# Altium PCB Tigershark 3D R2.PcbDoc (part 4 of 4)
Units mil, origin at the board's own origin, x right, y up, seen from the top; angles counter-clockwise.
Board outline 4100 x 4050 mil, 4 copper layers (Top Layer, Groun Plane, Power Plane, Bottom Layer), stack 61.73 mil thick; 363 components, 231 nets, 1162 pads, 834 vias.
Unrouted connection lines stored in the file: 9.
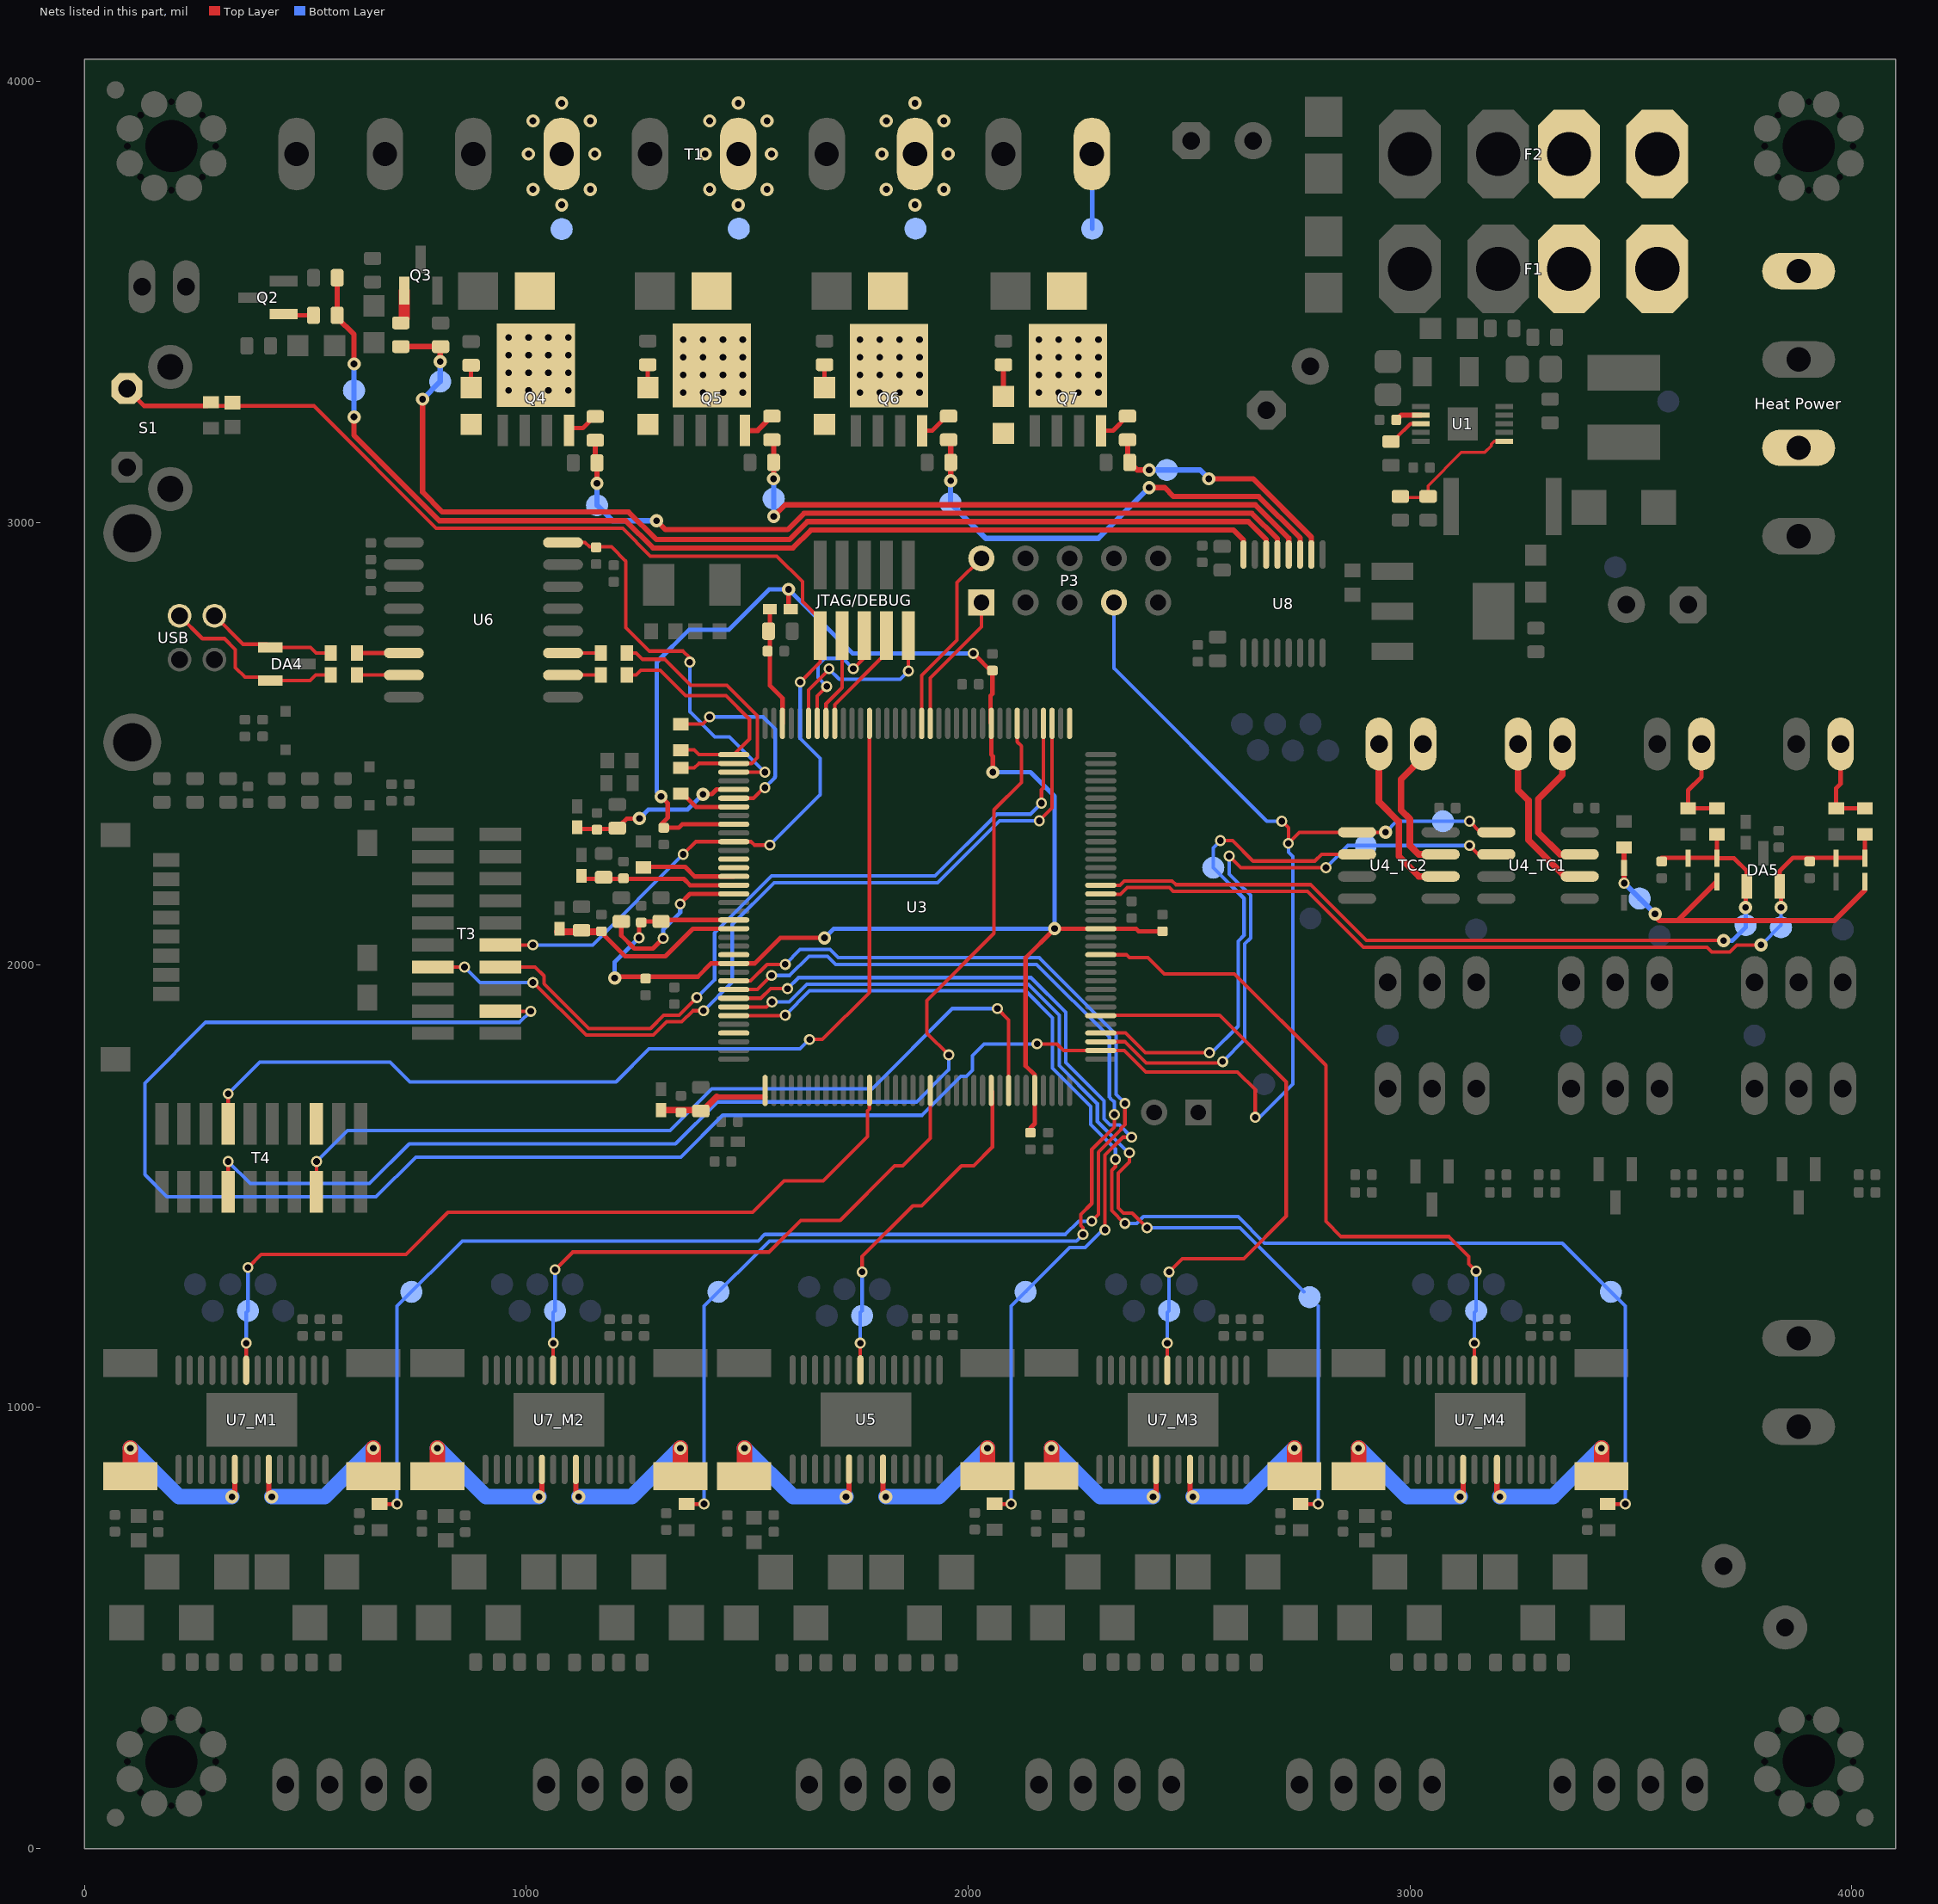
[diagram p6: the nets of this part, all layers, seen from the top]

## Via types
v1: diameter 30, hole 15, Top Layer to Bottom Layer, tented both sides, 496 vias
v2: diameter 25, hole 15, Top Layer to Bottom Layer, tented both sides, 175 vias
v3: diameter 25, hole 15, Top Layer to Bottom Layer, 76 vias
v4: diameter 19.68, hole 7.87, Top Layer to Bottom Layer, 75 vias
v5: diameter 30, hole 15, Top Layer to Bottom Layer, 9 vias
v6: diameter 45, hole 20, Top Layer to Bottom Layer, tented both sides, 3 vias

## Nets (pads, with @x,y where several pads share a name; then routed paths per layer and width w, separated by ;. In a path a pad name is that pad's centre, name@x,y a point inside that pad or via, vN(x,y) a via of type N, cw(c..) or ccw(c..) an arc to the next point about the centre after c; other vN are vias at no path point) (continued)
NetD12_1: D12.1 D13.C Q4.5 T1.4 TP11.1
  other v1: 960,3300 1005,3300 1050,3300 1095,3300 960,3340 1005,3340 1050,3340 1095,3340 960,3380 1005,3380 1050,3380 1095,3380 960,3420 1005,3420 1050,3420 1095,3420 1080,3720 1015,3755 1145,3755 1005,3835 1155,3835 1015,3910 1145,3910 1080,3950
NetD13_A: D13.A R56.1 | length 50.5
  Top Layer w10: D13.A@875,3306.34 R56.1@875,3356.87
NetD14_A: D14.A R60.1 | length 51.9
  Top Layer w10: D14.A@1275,3306.34 R60.1@1275,3358.23
NetD14_C: D14.C D15.1 Q5.5 T1.6 TP12.1
  other v1: 1355,3295 1400,3295 1445,3295 1490,3295 1355,3335 1400,3335 1445,3335 1490,3335 1355,3375 1400,3375 1445,3375 1490,3375 1355,3415 1400,3415 1445,3415 1490,3415 1480,3720 1415,3755 1545,3755 1405,3835 1555,3835 1415,3910 1545,3910 1480,3950
NetD16_A: D16.A R64.1 | length 51.9
  Top Layer w10: D16.A@1675,3306.34 R64.1@1675,3358.23
NetD16_C: D16.C D17.1 Q6.5 T1.8 TP13.1
  other v1: 1755,3295 1800,3295 1845,3295 1890,3295 1755,3335 1800,3335 1845,3335 1890,3335 1755,3375 1800,3375 1845,3375 1890,3375 1755,3415 1800,3415 1845,3415 1890,3415 1880,3720 1815,3755 1945,3755 1805,3835 1955,3835 1815,3910 1945,3910 1880,3950
NetD18_A: D18.A R68.1 | length 52
  Top Layer w12: D18.A@2080,3289.72 2080,3341.69
NetD18_C: D18.C D19.1 Q7.5 T1.10 TP14.1 | length 141.3
  Bottom Layer w10: TP14.1@2281,3666 T1.10@2281,3807.32
  other v1: 2160,3295 2205,3295 2250,3295 2295,3295 2160,3335 2205,3335 2250,3335 2295,3335 2160,3375 2205,3375 2250,3375 2295,3375 2160,3415 2205,3415 2250,3415 2295,3415
NetF1_1: "Heat Power.3" F1.1
NetF2_1: "Heat Power.1" F2.1
NetP2_TR1_1: P2_TR1.1 R14_TR1.2 R19_TR1.1 | length 214.6
  Top Layer w10: P2_TR1.1@3975,2500 3975,2410 3965,2400 R19_TR1.1@3965,2354.53 R14_TR1.2@4030,2354.53
NetP2_TR2_1: P2_TR2.1 R14_TR2.2 R19_TR2.1 | length 222.9
  Top Layer w10: P2_TR2.1@3660,2500 3660,2425 3630,2395 R19_TR2.1@3630,2354.53 R14_TR2.2@3695,2354.53
NetQ2_1: Q2.1 R45.2 | length 68.9
  Top Layer w10: Q2.1@450.43,3472.6 453.03,3470 R45.2@518.23,3470
NetQ3_1: Q3.1 R52.2 | length 73.2
  Top Layer w25: R52.2@716,3455.53 723.6,3463.13 Q3.1@723.6,3525.57
NetQ4_4: Q4.4 R58.2 | length 73.2
  Top Layer w10: Q4.4@1096.5,3209.66 1101.36,3214.53 1127.75,3214.53 R58.2@1156,3242.77
NetQ5_4: Q5.4 R62.2 | length 74.5
  Top Layer w12: Q5.4@1495,3209.28 1523.5,3209.28 R62.2@1556,3241.77
NetQ6_4: Q6.4 R66.2 | length 72.4
  Top Layer w10: Q6.4@1896,3208.85 1918.85,3208.85 R66.2@1953.89,3243.89
NetQ7_4: Q7.4 R70.2 | length 73.6
  Top Layer w10: Q7.4@2301,3208.85 2328.08,3208.85 R70.2@2361,3241.77
NetR4_1: R4.1 U3.51 | length 223.6
  Top Layer w10: R4.1@1255,2221.57 1359.53,2221.57 1381.1,2200 U3.51@1469.65,2200
NetR5_2: R5.2 U3.42 | length 454.8
  Top Layer w8: R5.2@1350,2545.16 1399.06,2545.16 v2(1415,2561.1) ; U3.42@1469.65,2377.17 1514.29,2377.17 v2@1540,2402.87
  Bottom Layer w8: v2(1415,2561.1) 1536.1,2561.1 1563.5,2533.7 1563.5,2426.37 1562.5,2425.37 1562.5,2423.6 v2(1540,2401.1)
NetR6_1: R6.1 U3.53 | length 367.9
  Top Layer w10: R6.1@1215,2093.23 1215,2066.46 1244.85,2036.6 1286.6,2036.6 v2(1310,2060) ; v2@1348.32,2138.67 1370.28,2160.63 U3.53@1469.65,2160.63
  Bottom Layer w10: v2(1310,2060) 1310,2080 1348.32,2118.32 v2(1348.32,2137.77)
NetR7_1: R7.1 U1.3 | length 76.4
  Top Layer w8: R7.1@2961.84,3192.14 2969.14,3192.14 3001.43,3224.43 U1.3@3024.83,3224.43
NetR10_2: R10.2 R12.1 U1.6 | length 291.8
  Top Layer w7: R12.1@2977.36,3057.6 R10.2@3033.45,3057.6 ; R10.2@3041,3065.15 3041,3084 3116.56,3159.56 3169.25,3159.56 3184.18,3174.49 3184.18,3178.18 3191.06,3185.06 U1.6@3213.8,3185.06
NetR17_1: R17.1 U1.2 | length 56.9
  Top Layer w12: R17.1@2971.68,3235.05 2980.73,3244.11 U1.2@3024.83,3244.11
NetR22_2: R22.2 U3.43 | length 129.5
  Top Layer w10: R22.2@1353.05,2388.52 1384.09,2357.48 U3.43@1469.65,2357.48
NetR32_M1_2: R32_M1.2 U7_M1.9 | length 404.1
  Top Layer w12: U7_M1.9@417.13,859.06 417.13,802.87 v1(423.74,796.26)
  Top Layer w35: R32_M1.2@653.74,843.31 v1(653.74,906.26)
  Bottom Layer w35: v1(423.74,796.26) 543.74,796.26 v1(653.74,906.26)
NetR32_M2_2: R32_M2.2 U7_M2.9 | length 404.1
  Top Layer w12: U7_M2.9@1112.13,859.06 1112.13,802.87 v1(1118.74,796.26)
  Top Layer w35: R32_M2.2@1348.74,843.31 v1(1348.74,906.26)
  Bottom Layer w35: v1(1118.74,796.26) 1238.74,796.26 v1(1348.74,906.26)
NetR32_M3_2: R32_M3.2 U7_M3.9 | length 404.1
  Top Layer w12: U7_M3.9@2502.13,859.06 2502.13,802.87 v1(2508.74,796.26)
  Top Layer w35: R32_M3.2@2738.74,843.31 v1(2738.74,906.26)
  Bottom Layer w35: v1(2508.74,796.26) 2628.74,796.26 v1(2738.74,906.26)
NetR32_M4_2: R32_M4.2 U7_M4.9 | length 404.1
  Top Layer w12: U7_M4.9@3197.13,859.06 3197.13,802.87 v1(3203.74,796.26)
  Top Layer w35: R32_M4.2@3433.74,843.31 v1(3433.74,906.26)
  Bottom Layer w35: v1(3203.74,796.26) 3323.74,796.26 v1(3433.74,906.26)
NetR33_M1_2: R33_M1.2 U7_M1.6 | length 404.1
  Top Layer w12: v1(333.74,796.26) 340.35,802.87 U7_M1.6@340.35,859.06
  Top Layer w35: R33_M1.2@103.74,843.31 v1(103.74,906.26)
  Bottom Layer w35: v1(103.74,906.26) 213.74,796.26 v1(333.74,796.26)
NetR33_M2_2: R33_M2.2 U7_M2.6 | length 404.1
  Top Layer w12: v1(1028.74,796.26) 1035.35,802.87 U7_M2.6@1035.35,859.06
  Top Layer w35: R33_M2.2@798.74,843.31 v1(798.74,906.26)
  Bottom Layer w35: v1(798.74,906.26) 908.74,796.26 v1(1028.74,796.26)
NetR33_M3_2: R33_M3.2 U7_M3.6 | length 404.1
  Top Layer w12: v1(2418.74,796.26) 2425.35,802.87 U7_M3.6@2425.35,859.06
  Top Layer w35: R33_M3.2@2188.74,843.31 v1(2188.74,906.26)
  Bottom Layer w35: v1(2188.74,906.26) 2298.74,796.26 v1(2418.74,796.26)
NetR33_M4_2: R33_M4.2 U7_M4.6 | length 404.1
  Top Layer w12: v1(3113.74,796.26) 3120.35,802.87 U7_M4.6@3120.35,859.06
  Top Layer w35: R33_M4.2@2883.74,843.31 v1(2883.74,906.26)
  Bottom Layer w35: v1(2883.74,906.26) 2993.74,796.26 v1(3113.74,796.26)
NetR38_2: R38.2 U5.9 | length 404.1
  Top Layer w12: U5.9@1807.16,859.02 1807.16,802.84 v1(1813.77,796.23)
  Top Layer w35: R38.2@2043.77,843.28 v1(2043.77,906.23)
  Bottom Layer w35: v1(1813.77,796.23) 1933.77,796.23 v1(2043.77,906.23)
NetR39_2: R39.2 U5.6 | length 404.1
  Top Layer w12: v1(1723.77,796.23) 1730.39,802.84 U5.6@1730.39,859.02
  Top Layer w35: R39.2@1493.77,843.28 v1(1493.77,906.23)
  Bottom Layer w35: v1(1493.77,906.23) 1603.77,796.23 v1(1723.77,796.23)
NetR45_1: R45.1 R46.1 TP41.1 U8.16 | length 2547.7
  Top Layer w12: R45.1@571.77,3465 610,3426.77 v1(610,3360) ; R45.1@571.77,3470 R46.1@571.77,3555 ; v1@605,3240 610,3235 610,3198.13 803.13,3005 1225,3005 1286.51,2943.49 1603.49,2943.49 1644,2984 2601,2984 2623.43,2961.57 U8.16@2623.43,2928.66
  Bottom Layer w12: v1(610,3240) TP41.1@610,3300 v1(610,3360)
NetR52_1: R52.1 R55.1 TP42.1 U8.14 | length 2458
  Top Layer w12: R52.1@716,3399.23 R55.1@806,3399.23 805,3398.23 v1(805,3365) ; v1(765,3280) 765,3070 810,3025 1231.87,3025 1294.38,2962.49 1595.62,2962.49 1636.13,3003 2634.52,3003 2674.61,2962.91 U8.14@2674.61,2928.66
  Bottom Layer w12: v1(765,3280) TP42.1@805,3320 v1(805,3365)
NetR58_1: R58.1 R59.1 TP48.1 U8.13 | length 1781.3
  Top Layer w12: R59.1@1156,3139.77 R58.1@1156,3187.23 ; R59.1@1159.77,3136 1160,3135.77 v1(1160,3090) ; v1(1295,3005) 1315,2985 1591.26,2985 1628.26,3022 2642.39,3022 2700.2,2964.19 U8.13@2700.2,2928.66
  Bottom Layer w12: v1(1160,3090) TP48.1@1160,3040 1195,3005 v1(1295,3005)
NetR62_1: R62.1 R63.1 TP49.1 U8.12 | length 1414.2
  Top Layer w12: v1(1559.77,3100) R63.1@1559.77,3137 R62.1@1559.77,3184.46 ; v1(1560,3015) 1586,3041 2650.26,3041 2725.8,2965.46 U8.12@2725.8,2928.66
  Bottom Layer w12: v1(1559.77,3100) 1559.77,3045.23 1560,3045 v1(1560,3015)
NetR66_1: R66.1 R67.1 TP50.1 U8.11 | length 1088.9
  Top Layer w12: v1(1960.77,3095.77) R67.1@1960.77,3137 R66.1@1960.77,3183.46 ; v1@2420,3080 2445,3080 2465,3060 2658.13,3060 2751.39,2966.74 U8.11@2751.39,2928.66
  Bottom Layer w12: v1(1960.77,3095.77) 1960,3095 TP50.1@1960,3045 2040,2965 2295,2965 2405,3075 v1@2415,3075
  other v1: 2410,3080
NetR70_1: R70.1 R71.1 TP51.1 U8.10 | length 573.8
  Top Layer w12: R70.1@2361,3188.23 2361,3141.77 R71.1@2365.77,3137 2382.77,3120 v1(2410,3120) ; v1(2545,3100) 2645,3100 2776.98,2968.02 U8.10@2776.98,2928.66
  Bottom Layer w12: v1(2410,3120) 2525,3120 v1(2545,3100)
NetT2_TC1_1: T2_TC1.1 U4_TC1.3 | length 337.6
  Top Layer w15: T2_TC1.1@3345,2500 3345,2429.49 3290.51,2375 3290.51,2299.49 3340,2250 U4_TC1.3@3384.49,2250
NetT2_TC1_2: T2_TC1.2 U4_TC1.2 | length 377.3
  Top Layer w15: T2_TC1.2@3245,2500 3245,2395.51 3268.51,2372 3268.51,2282.65 3351.16,2200 U4_TC1.2@3384.49,2200
NetT2_TC2_1: T2_TC2.1 U4_TC2.3 | length 336.8
  Top Layer w15: T2_TC2.1@3030,2500 3030,2470 2980,2420 2980,2350 3000,2330 3000,2270 3020,2250 U4_TC2.3@3069.49,2250
NetT2_TC2_2: T2_TC2.2 U4_TC2.2 | length 386.5
  Top Layer w15: T2_TC2.2@2930,2500 2930,2368.89 2975,2323.89 2975,2245.51 3020.51,2200 U4_TC2.2@3069.49,2200
NRST: U3.69
OVREF: D1.2 D3_TR1.2 D3_TR2.2 R1.1 TP2.1 | length 828.2
  Top Layer w12: v2(3485,2185) D1.2@3485,2219.37 R1.1@3485,2260 ; v1(3555,2115) 3555,2110 3565,2100 3960,2100 4030,2170 D3_TR1.2@4030,2188.43 ; 3608.29,2101.71 D3_TR2.2@3695,2188.43
  Bottom Layer w12: v2(3485,2185) TP2.1@3520,2150 v1(3555,2115)
R_N: DA4.1 R18.2 USB.2 | length 298.5
  Top Layer w8: USB.2@294,2790 358.31,2725.69 413.1,2725.69 DA4.1@420.6,2718.19 511.51,2718.19 523.91,2705.79 R18.2@557.59,2705.79
R_P: DA4.2 R20.2 USB.3 | length 432.3
  Top Layer w8: USB.3@215,2790 266.71,2738.29 316.51,2738.29 341.5,2713.29 341.5,2672.51 363.12,2650.89 413.1,2650.89 DA4.2@420.6,2643.39 510.6,2643.39 523,2655.79 R20.2@557.59,2655.79
REF1: R31_M1.2 TP33_M1.1 U3.63 | length 3580
  Top Layer w8: R31_M1.2@667.48,779.53 707.01,779.53 v3(707.48,780) ; U3.63@1469.65,1963.78 1507.68,1963.78 1545,2001.1 v2@1590,2001.1 ; v2(2280,1420) 2295,1435 2295,1544.05 2295,1575.95 2346.1,1627.05 2346.1,1629.89 2355,1638.79 v2(2355,1686.1)
  Bottom Layer w8: v3(707.48,780) 707.48,1227.52 855,1375 1525,1375 1540,1390 2220,1390 2250,1420 v2(2280,1420) ; v2(1586.1,2001.1) 1619.6,2034.6 1687.6,2034.6 1706.1,2016.1 2161.1,2016.1 2335,1842.2 2335,1707.06 2335.96,1706.1 2336.21,1706.1 2355,1687.32 v2(2355,1686.1)
REF2: R31_M2.2 TP33_M2.1 U3.64 | length 2855.1
  Top Layer w8: R31_M2.2@1362.48,779.53 1402.01,779.53 v3(1402.48,780) ; U3.64@1469.65,1944.09 1522.99,1944.09 v2(1555,1976.1) ; v2(2260,1390) 2260,1405 2255,1410 2255,1435 2280,1460 2280,1537.84 2280,1582.16 2331.1,1633.26 v2(2331.1,1661.1)
  Bottom Layer w8: v3(1402.48,780) 1402.48,1227.52 1550,1375 2245,1375 v2(2260,1390) ; v2(1555,1976.1) 1596.1,1976.1 1639.6,2019.6 1681.39,2019.6 1699.89,2001.1 2154.89,2001.1 2320,1835.99 2320,1700.84 2322.6,1698.24 2322.6,1697.29 2328.79,1691.1 2330,1691.1 2331.1,1690 v2(2331.1,1661.1)
REF3: R31_M3.2 TP33_M3.1 U3.66 | length 2286.7
  Top Layer w8: U3.66@1469.65,1904.72 1543.62,1904.72 v2@1555,1916.1 ; v2(2365,1575) 2365,1553.79 2340,1528.79 2340,1450 2351.5,1438.5 2371.5,1438.5 v3(2405,1405) ; R31_M3.2@2752.48,779.53 2792.01,779.53 v3(2792.48,780)
  Bottom Layer w8: v2(1556.1,1916.1) 1594.89,1916.1 1634.89,1956.1 2136.25,1956.1 2206.1,1886.25 2206.1,1772.32 2292.6,1685.82 2292.6,1645.16 v2@2365,1572.76 ; v3(2405,1405) 2615,1405 TP33_M3.1@2760.03,1259.97 ; v3(2792.48,780) 2792.48,1227.52
REF4: R31_M4.2 TP33_M4.1 U3.67 | length 3023.4
  Top Layer w8: U3.67@1469.65,1885.04 v2@1588.94,1885.04 ; v2(2333.5,1560) 2333.5,1543.5 2325,1535 2325,1443.79 2353.79,1415 v2(2355,1415) ; R31_M4.2@3447.48,779.53 3487.01,779.53 v3(3487.48,780)
  Bottom Layer w8: v2(1586.1,1886.1) 1641.1,1941.1 2130.04,1941.1 2191.1,1880.04 2191.1,1766.1 2277.6,1679.6 2277.6,1638.94 2333.5,1583.04 v2(2333.5,1560) ; v2(2355,1415) 2381.77,1415 2396.77,1430 2611.21,1430 2671.21,1370 3345,1370 TP33_M4.1@3455,1260 ; TP33_M4.1@3455,1260 3487.48,1227.52 v3(3487.48,780)
REF_EXP1: T4.15 U3.101 | length 1949
  Top Layer w8: T4.15@525,1486.46 v2(525,1555) ; v2(2066.1,1901.1) 2091.69,1875.51 U3.101@2091.69,1715.75
  Bottom Layer w8: v2(525,1555) 595,1625 1325.15,1625 1419.86,1719.71 1782.95,1719.71 1964.34,1901.1 v2(2066.1,1901.1)
REF_EXP2: T4.16 U3.60
REF_Z: R37.2 TP15.1 U3.65 | length 2176.8
  Top Layer w8: U3.65@1469.65,1924.41 1531.18,1924.41 1552.87,1946.1 v2@1590,1946.1 ; R37.2@2057.51,779.5 2097.04,779.5 v3(2097.51,779.97) ; v2(2310,1400) 2310,1569.73 2350.27,1610 v2(2370,1610)
  Bottom Layer w8: v2(1591.1,1946.1) 1616.1,1971.1 2142.46,1971.1 2221.1,1892.46 2221.1,1778.53 2307.6,1692.03 2307.6,1651.37 2321.37,1637.6 2342.4,1637.6 v2(2370,1610) ; v3(2097.51,779.97) 2097.51,1227.49 TP15.1@2130,1260 2230,1360 2265,1360 2305,1400 v2(2310,1400)
RESET: C63.2 JTAG/DEBUG.10 R21.1 S1.1 T3.9 U3.47 | length 3111.3
  Top Layer w8: R21.1@277.47,3265 R21.1@286,3273.53 ; R21.1@294.53,3265 519.09,3265 796.09,2988 1217.96,2988 1280.96,2925 1567,2925 1625,2867 1625,2822.11 1665,2782.11 JTAG/DEBUG.10@1665,2745.08 1665,2685 v2(1620,2640) ; T3.9@941.77,2045 v2(1015,2045) ; v2(1355,2250) 1383.74,2278.74 U3.47@1469.65,2278.74 1508.46,2278.74 1516.1,2271.1 v2(1551.1,2271.1)
  Top Layer w10: S1.1@96,3304 135,3265 R21.1@277.47,3265
  Bottom Layer w8: v2(1015,2045) 1150,2045 v2(1355,2250) ; v2(1551.1,2271.1) 1665,2385 1665,2467.2 1620,2512.2 v2(1620,2640)
RXD0: T3.8 U3.3 | length 1946.1
  Top Layer w8: T3.8@788.23,1995 v2(860,1995) ; v2(1015,1960) 1016.21,1960 1135.23,1840.98 1287.34,1840.98 1317.36,1871 1351.89,1871 1376.99,1896.1 v2(1401.1,1896.1) ; v2(2161.1,2326.1) 2190.12,2355.12 U3.3@2190.12,2546.46
  Bottom Layer w8: v2(860,1995) 895,1960 v2(1015,1960) ; v2(1401.1,1896.1) 1466.1,1961.1 1466.1,2091.1 1561.1,2186.1 1931.1,2186.1 2071.1,2326.1 v2(2161.1,2326.1)
RXD1: P3.2 U3.18 | length 429.5
  Top Layer w8: U3.18@1894.84,2546.46 1894.84,2654.84 1975,2735 1975,2865 P3.2@2030,2920
SCLK: P3.7 T3.3 TP6.1 U3.110 U4_TC1.5 U4_TC2.5 | length 5913.7
  Top Layer w8: T3.3@941.77,1895 v2(1010,1895) ; v2(2156.1,1821.1) 2201.1,1821.1 2215.91,1806.3 U3.110@2300.35,1806.3 2353.48,1806.3 2402.18,1757.6 2609.6,1757.6 2650,1717.2 v2(2650,1655) ; v2(2710,2325) 2725,2310 v2(2725,2275) 2750,2300 U4_TC2.5@2880.51,2300 v1(2945,2300) ; v2(3135,2325) 3160,2300 U4_TC1.5@3195.51,2300
  Bottom Layer w8: v2(1010,1895) 985,1870 274.34,1870 136.5,1732.16 136.5,1525.27 186.77,1475 360.23,1475 659.77,1475 749.77,1565 1350,1565 1444.71,1659.71 1895.93,1659.71 1983.82,1747.6 1995.84,1747.6 2009.6,1761.37 2009.6,1794.6 2036.1,1821.1 v2(2156.1,1821.1) ; P3.7@2330,2820 2330,2671.21 2676.21,2325 v2(2710,2325) ; v2(2650,1655) 2660,1655 2735,1730 2735,2245 2725,2255 v2(2725,2275) ; v1(2945,2300) 2970,2325 v2(3135,2325)
SHDN: U3.50
SPD: U3.1
STEP1: TP40_M1.1 U3.85 U7_M1.22 | length 1856.6
  Top Layer w8: U7_M1.22@365.94,1083.46 v3(365.94,1143.9) ; v3(370,1315) 400,1345 727.57,1345 822.57,1440 1512.26,1440 1583.76,1511.5 1672.01,1511.5 1772.05,1611.53 1772.05,1669.47 1776.73,1674.16 U3.85@1776.73,1715.75
  Bottom Layer w8: v3@365.74,1144.1 v3(365.94,1143.9) 365.94,1213.01 TP40_M1.1@369.97,1217.03 v3@369.97,1307.03
STEP2: TP40_M2.1 U3.92 U7_M2.22 | length 1306.4
  Top Layer w8: U7_M2.22@1060.94,1083.46 v3(1060.94,1143.9) ; v3(1065,1310) 1105,1350 1549.54,1350 1621.04,1421.5 1710.43,1421.5 1833.93,1545 1851.87,1545 1914.53,1607.65 U3.92@1914.53,1715.75
  Bottom Layer w8: v3@1060.74,1144.1 v3(1060.94,1143.9) 1060.94,1213.01 TP40_M2.1@1064.97,1217.03 v3@1064.97,1307.03
STEP3: TP40_M3.1 U3.114 U7_M3.22 | length 1329.4
  Top Layer w8: U3.114@2300.35,1885.04 2301.42,1886.1 2569.19,1886.1 2720,1735.29 2720,1431.21 2623.79,1335 2485,1335 v3(2455,1305) ; U7_M3.22@2450.94,1083.46 v3(2450.94,1143.9)
  Bottom Layer w8: v3@2450.74,1144.1 v3(2450.94,1143.9) 2450.94,1213.01 TP40_M3.1@2454.97,1217.03 v3@2454.97,1307.03
STEP4: TP40_M4.1 U3.121 U7_M4.22 | length 1588.1
  Top Layer w8: U3.121@2300.35,2022.83 2358.16,2022.83 2364.89,2016.1 2407.32,2016.1 2443.69,1979.72 2602.85,1979.72 2810,1772.57 2810,1419.34 2844.34,1385 3088.23,1385 3133.47,1339.77 3133.47,1323.53 v3(3149.97,1307.03) ; U7_M4.22@3145.94,1083.46 v3(3145.94,1143.9)
  Bottom Layer w8: v3@3145.74,1144.1 v3(3145.94,1143.9) 3145.94,1213.01 TP40_M4.1@3149.97,1217.03 v3(3149.97,1307.03)
STEP_EXP1: T4.7 U3.7 | length 2724
  Top Layer w8: T4.7@325,1486.46 v2(325,1555) ; v2(1956.1,1796.1) 1906.71,1845.5 1906.71,1919.28 2058.86,2071.43 2058.86,2350.83 2121,2412.97 2121,2494.99 2111.38,2504.61 U3.7@2111.38,2546.46
  Bottom Layer w8: v2(325,1555) 375,1505 645,1505 735,1595 1337.57,1595 1432.29,1689.71 1882.95,1689.71 1956.1,1762.87 v2(1956.1,1796.1)
STEP_EXP2: T4.8 U3.24 | length 2260.9
  Top Layer w8: T4.8@325,1640 v2(325,1708.23) ; v2(1641.1,1831.1) 1669.89,1831.1 1776.73,1937.95 U3.24@1776.73,2546.46
  Bottom Layer w8: v2(325,1708.23) 396.77,1780 691.36,1780 736.36,1735 1203.23,1735 1277.94,1809.71 1619.71,1809.71 v2(1641.1,1831.1)
STEP_Z: TP21.1 U3.99 U5.22 | length 785.1
  Top Layer w8: U5.22@1755.98,1083.43 v3(1755.98,1143.87) ; v3(1760,1305) 1760,1340 1875,1455 1895,1455 1985,1545 2012.43,1545 2055,1587.57 2055,1713.07 U3.99@2052.32,1715.75
  Bottom Layer w8: v3(1755.98,1143.87) 1755.98,1212.98 1760,1217 v3(1760,1305)
TC_CS1: TP4.1 U3.111 U4_TC1.6 | length 1453.6
  Top Layer w8: U3.111@2300.35,1825.98 2355.01,1825.98 2403.39,1777.6 2572.6,1777.6 v2(2576.1,1781.1) ; v2(2591.1,2246.1) 2617.2,2220 v2(2810,2220) ; v2(3135,2270) 3155,2250 U4_TC1.6@3195.51,2250
  Bottom Layer w8: v2(2576.1,1781.1) 2626.1,1831.1 2626.1,2047.2 2639.6,2060.7 2639.6,2157.71 2626.21,2171.1 2625,2171.1 2591.1,2205 v2(2591.1,2246.1) ; v2(2810,2220) 2860,2270 v2(3135,2270)
TC_CS2: TP5.1 U3.112 U4_TC2.6 | length 1149.9
  Top Layer w8: U3.112@2300.35,1845.67 2356.54,1845.67 2401.1,1801.1 v2(2546.1,1801.1) ; v2(2571.1,2281.1) 2598.9,2281.1 2645,2235 2785,2235 2800,2250 U4_TC2.6@2880.51,2250
  Bottom Layer w8: v2(2546.1,1801.1) 2551.1,1801.1 2611.1,1861.1 2611.1,2053.42 2624.6,2066.92 2624.6,2150.29 TP5.1@2555,2219.89 2555,2265 v2(2571.1,2281.1)
TCK/SWDCLK: JTAG/DEBUG.4 U3.28 | length 247.1
  Top Layer w8: U3.28@1697.99,2546.46 1697.99,2589.12 1815,2706.13 JTAG/DEBUG.4@1815,2745.08
TDI: JTAG/DEBUG.8 U3.29 | length 213.8
  Top Layer w8: U3.29@1678.31,2546.46 1678.31,2590.65 1715,2627.34 JTAG/DEBUG.8@1715,2745.08
TDO/SWO: JTAG/DEBUG.6 U3.30 | length 330.4
  Top Layer w8: U3.30@1658.62,2546.46 1658.62,2608.62 v2(1680,2630) ; v2(1740,2670) 1765,2695 JTAG/DEBUG.6@1765,2745.08
  Bottom Layer w8: v2(1680,2630) 1660,2650 1660,2678.23 1675.27,2693.5 1716.5,2693.5 v2(1740,2670)
THERM_AN1: C30_TR1.2 D3_TR1.1 D5_TR1.2 DA5.2 R14_TR1.1 TP52_TR1.1 U3.128 | length 2003.6
  Top Layer w8: U3.128@2300.35,2160.63 2301.35,2159.63 2344.63,2159.63 2360,2175 2455.55,2175 2464.05,2166.5 2768.5,2166.5 2895,2040 3672.37,2040 3683.37,2029 3724,2029 3740,2045 v1(3795,2045)
  Top Layer w10: v1(3840,2130) 3840,2175 DA5.2@3837.4,2177.6 3837.4,2212.4 3867.56,2242.56 D3_TR1.1@4029.02,2242.56 ; D3_TR1.1@4030,2241.57 R14_TR1.1@4030,2295.47
  Bottom Layer w8: v1(3795,2045) 3840,2090 v1@3840,2120
THERM_AN2: C30_TR2.2 D3_TR2.1 D5_TR2.2 DA5.1 R14_TR2.1 TP52_TR2.1 U3.129 | length 1908.1
  Top Layer w8: U3.129@2300.35,2180.32 2344.1,2180.32 2353.79,2190 2461.77,2190 2470.27,2181.5 2774.71,2181.5 2901.21,2055 v1(3710,2055)
  Top Layer w10: C30_TR2.2@3570,2242.56 D3_TR2.1@3694.02,2242.56 ; R14_TR2.1@3695,2295.47 D3_TR2.1@3695,2241.57 3733.43,2241.57 3762.6,2212.4 DA5.1@3762.6,2177.6 3760,2175 v1(3760,2130)
  Bottom Layer w10: v1(3710,2055) 3730,2055 3760,2085 v1@3760,2120
TMS/SWDIO: JTAG/DEBUG.2 U3.31 | length 394.6
  Top Layer w8: U3.31@1638.94,2546.46 1638.94,2622.17 v2@1685.88,2669.12 ; v2(1865,2665) JTAG/DEBUG.2@1865,2720.08
  Bottom Layer w8: v2(1685,2670) 1708.5,2646.5 1846.5,2646.5 v2(1865,2665)
TXD0: T3.7 U3.4 | length 1747.9
  Top Layer w8: T3.7@941.77,1995 1020,1995 1040,1975 1040,1957.43 1141.44,1855.98 1281.13,1855.98 1311.15,1886 1345.68,1886 1385.78,1926.1 v2(1386.1,1926.1) ; v2(2166.1,2366.1) 2166.1,2396.1 2170.43,2400.43 U3.4@2170.43,2546.46
  Bottom Layer w8: v2(1386.1,1926.1) 1426.1,1966.1 1426.1,2072.32 1554.89,2201.1 1924.89,2201.1 2064.89,2341.1 2141.1,2341.1 v2(2166.1,2366.1)
TXD1: P3.1 U3.17 | length 321.4
  Top Layer w8: U3.17@1914.53,2546.46 1914.53,2649.53 2030,2765 P3.1@2030,2820
UD_N: R18.1 U6.6 | length 106.2
  Top Layer w10: R18.1@616.65,2705.79 U6.6@722.88,2705.79
UD_P: R20.1 U6.7 | length 106.2
  Top Layer w8: R20.1@616.65,2655.79 U6.7@722.88,2655.79
UI_N: R16.2 U6.11 | length 85.4
  Top Layer w8: U6.11@1083.12,2705.79 1133,2705.79 R16.2@1168.47,2705.79
UI_P: R15.2 U6.10 | length 85.4
  Top Layer w8: U6.10@1083.12,2655.79 1148,2655.79 R15.2@1168.47,2655.79
UMCU_N: R16.1 R22.1 U3.38 | length 626.7
  Top Layer w8: R16.1@1227.53,2705.79 1248.81,2705.79 1263.09,2691.5 1313.5,2691.5 1372.4,2632.6 1453.96,2632.6 1523,2563.56 1523,2468.91 1510,2455.91 U3.38@1469.65,2455.91 1390.28,2455.91 1380,2445.63 R22.1@1355,2445.63
UMCU_P: R5.1 R15.1 U3.37 | length 542
  Top Layer w8: R15.1@1227.53,2655.79 1248.81,2655.79 1259.52,2666.5 1303.14,2666.5 1360.29,2609.35 1451.75,2609.35 1505,2556.1 1505,2510.94 U3.37@1469.65,2475.59 1390.98,2475.59 1380,2486.57 R5.1@1355,2486.57
VBUS: C57.2 U3.39 U6.16 | length 901.9
  Top Layer w8: U6.16@1083.12,2955.79 1133,2955.79 1143,2945.79 1192.68,2945.79 1225,2913.47 1225,2763.42 1278.42,2710 1355,2710 1370,2695 v2(1370,2685) ; U3.39@1469.65,2436.22 v2@1540,2436.22
  Bottom Layer w8: v2(1370,2685) 1370,2572.87 1426.77,2516.1 1460,2516.1 v2(1540,2436.1)
VDDANA: C13.2 C27.2 FB6.2 U3.73 | length 247.4
  Top Layer w12: 1431.1,1701.1 U3.73@1540,1701.1
  Top Layer w15: FB6.2@1305,1671.1 1401.1,1671.1 1431.1,1701.1
VDDBU: C28.2 C53.2 FB7.2 U3.52 | length 355.2
  Top Layer w10: FB7.2@1123.62,2202.48 1131.6,2194.5 1356.6,2194.5 1370.79,2180.32 U3.52@1469.65,2180.32
VDDIN: C54.2 C55.2 FB5.2 U3.57 | length 451.1
  Top Layer w8: C54.2@1167.77,2078.23 C54.2@1170,2076
  Top Layer w10: C54.2@1168.37,2075 1223.77,2019.6 1314.6,2019.6 1376.89,2081.89 U3.57@1469.65,2081.89
  Top Layer w15: FB5.2@1070.39,2075 C54.2@1168.37,2075
VDDOUT: C23.2 C36.2 C37.2 C38.2 C39.2 C41.2 C42.2 FB4.1 U3.10 U3.45 U3.56 U3.61 U3.104 U3.124 | length 4331.6
  Top Layer w10: v1(1200,1970) 1203.1,1973.1 1388.1,1973.1 1418.15,2003.15 U3.61@1469.65,2003.15 1517.05,2003.15 1575,2061.1 v1(1675,2061.1) ; v2(1255,2061.1) 1255,2086 1267.54,2098.54 1305,2098.54 1308.03,2101.57 U3.56@1469.65,2101.57 ; v1(1305,2381.1) 1320,2366.1 1320,2332.6 C41.2@1305.53,2318.13 ; C41.2@1311.1,2310.1 1345.1,2310.1 1353.11,2318.11 U3.45@1469.65,2318.11 ; FB4.1@1593.62,2811.1 v1(1593.62,2849.72) ; v2(2011.58,2705) 2055,2661.58 2055,2613.47 2050.54,2609.01 2050.54,2548.24 U3.10@2052.32,2546.46 2052.32,2475.98 2056.1,2472.2 v1(2056.1,2436.1) ; C23.2@2141.1,1620.1 2141.1,1631.1 2150.75,1640.75 U3.104@2150.75,1715.75 2150.75,1750.91 2130,1771.66 2130,2016.1 v1(2195.79,2081.89) U3.124@2300.35,2081.89 2380.22,2081.89 2386.01,2076.1 C39.2@2440,2076.1
  Bottom Layer w10: v1(1200,1970) 1200,2006.1 v2(1255,2061.1) ; v1(1305,2381.1) 1295,2391.1 1295,2685 1368.6,2758.6 1458.6,2758.6 1549.72,2849.72 v1(1593.62,2849.72) 1738.35,2705 v2(2011.58,2705) ; v1(1675,2061.1) 1695.79,2081.89 v1(2195.79,2081.89) 2195.79,2381.42 2141.1,2436.1 v1(2056.1,2436.1)
VDDPLL: C32.2 C33.2 FB4.2 U3.34 | length 278.5
  Top Layer w10: FB4.2@1546.38,2811.1 1551.38,2806.1 1551.38,2632.14 1579.88,2603.63 U3.34@1579.88,2546.46
VDDUTMI: C60.2 C61.2 FB8.2 U3.41 | length 380
  Top Layer w10: FB8.2@1115,2307.48 C60.2@1201.06,2307.48 ; C60.2@1212.56,2316.1 1227.56,2331.1 v1(1256.1,2331.1) ; v1(1400,2386.1) 1420,2386.1 1430.75,2396.85 U3.41@1469.65,2396.85
  Bottom Layer w10: v1@1260,2326.1 1260,2335 1276.1,2351.1 1365,2351.1 v1(1400,2386.1)
XOUT32: U3.49
pads on no net: FD1.1 FD2.1 FD3.1 H1.0 H2.0 H3.0 H4.0 JTAG/DEBUG.7 U3.19 U3.20 U3.21 U3.22 U3.32 U3.48 U3.127 U3.136 U3.137 U3.138 U3.139 U3.140 U4_TC1.8 U4_TC2.8 U5.18 U5.19 U5.23 U5.27 U7_M1.18 U7_M1.19 U7_M1.23 U7_M1.27 U7_M2.18 U7_M2.19 U7_M2.23 U7_M2.27 U7_M3.18 U7_M3.19 U7_M3.23 U7_M3.27 U7_M4.18 U7_M4.19 U7_M4.23 U7_M4.27

## Polygon pours and split planes (outlines as drawn)
GND on Top Layer "Mechanical 15-No Net" (solid, remove dead copper, pour order 71): 3362.48,825 3362.48,925 3502.48,925 3505,927.52 3505,1358.26 3376.74,1358.26 3374.97,1360.03 3369.97,1355.03 3369.97,1225.03 3369.97,1037.49 3367.48,1035 3367.45,1035.03 3244.97,1035.03 2992.51,1035.03 2992.48,1035 2989.97,1037.51 2989.97,1355.03 2809.97,1355.03 2812.48,1352.52 2812.48,925 2942.48,925 2967.48,900 3322.48,900 3322.48,825
GND on Top Layer "Mechanical 15-No Net" (solid, remove dead copper, pour order 71): 2667.48,825 2667.48,925 2807.48,925 2810,927.52 2810,1358.26 2681.74,1358.26 2679.97,1360.03 2674.97,1355.03 2674.97,1225.03 2674.97,1037.49 2672.48,1035 2672.45,1035.03 2549.97,1035.03 2297.51,1035.03 2297.48,1035 2294.97,1037.51 2294.97,1355.03 2114.97,1355.03 2117.48,1352.52 2117.48,925 2247.48,925 2272.48,900 2627.48,900 2627.48,825
GND on Top Layer "Mechanical 15-No Net" (solid, remove dead copper, pour order 71): 1972.74,825.74 1972.74,925.74 2112.74,925.74 2115.26,928.26 2115.26,1359 1987,1359 1985.23,1360.77 1980.23,1355.77 1980.23,1225.77 1980.23,1038.23 1977.74,1035.74 1977.71,1035.77 1855.23,1035.77 1602.77,1035.77 1602.74,1035.74 1600.23,1038.25 1600.23,1355.77 1420.23,1355.77 1422.74,1353.26 1422.74,925.74 1552.74,925.74 1577.74,900.74 1932.74,900.74 1932.74,825.74
GND on Top Layer "Mechanical 15-No Net" (solid, remove dead copper, pour order 98): 3785,395 3870,395 4080,395 4080,1045 3740,1045 3740,835 3785,835
+12VCC1 on Top Layer "Mechanical 15-No Net" (solid, remove dead copper, pour order 96): 4080,1355 3970,1355 3510,1355 3510,1320 3510,395 3775,395 3775,830 3730,830 3730,1055 3835,1055 4080,1055
GND on Top Layer "Mechanical 15-No Net" (solid, remove dead copper, pour order 71): 582.48,825 582.48,925 722.48,925 725,927.52 725,1358.26 596.74,1358.26 594.97,1360.03 589.97,1355.03 589.97,1225.03 589.97,1037.49 587.48,1035 587.45,1035.03 464.97,1035.03 212.51,1035.03 212.48,1035 209.97,1037.51 209.97,1355.03 29.97,1355.03 32.48,1352.52 32.48,925 162.48,925 187.48,900 542.48,900 542.48,825
GND on Top Layer "Mechanical 15-No Net" (solid, remove dead copper, pour order 71): 1277.48,825 1277.48,925 1417.48,925 1420,927.52 1420,1358.26 1291.74,1358.26 1289.97,1360.03 1284.97,1355.03 1284.97,1225.03 1284.97,1037.49 1282.48,1035 1282.45,1035.03 1159.97,1035.03 907.51,1035.03 907.48,1035 904.97,1037.51 904.97,1355.03 724.97,1355.03 727.48,1352.52 727.48,925 857.48,925 882.48,900 1237.48,900 1237.48,825
GND on Top Layer "Mechanical 15-No Net" (solid, remove dead copper, pour order 79): 545,3530 545,3580 600,3580 600,3625 332.07,3625 330,3625 330,3620 330,3575 370,3535 375,3530 490,3530
GND on Top Layer "Mechanical 15-No Net" (solid, remove dead copper, pour order 77): 790,3435 830,3435 830,3675 820,3675 820,3775 725,3775 725,3695 785,3635 785,3630 785,3435
+12VCC2 on Top Layer "Mechanical 15-No Net" (solid, remove dead copper, pour order 75): 825,4030 825,3685 840,3685 840,3480 855,3480 855,3395 915,3395 915,3480 945,3480 945,3760 945,4030
GND on Top Layer "Mechanical 15-No Net" (solid, remove dead copper, pour order 73): 2840,2860 2840,2655 2845,2650 2895,2650 2895,2755 2980,2755 3125,2755 3125,2730 3250,2730 3250,2875 3250,2880 3255,2875 3320,2875 3325,2880 3330,2880 3545,2880 3545,2660 4080,2660 4080,3080 3745,3080 3740,3075 3610,3075 3610,2975 3595,2960 3270,2960 3065,2960 3030,2925 3025,2920 3025,2860
GND on Top Layer "Mechanical 15-No Net" (solid, remove dead copper, pour order 69): 2740,3605 2875,3605 2875,3685 2880,3690 2860,3690 2860,3845 2855,3840 2760,3840 2760,3810 2760,3805 2625,3805 2625,3255 2390,3255 2390,3150 2680,3150 2720,3150 2720,3380 2720,3605
NetD12_1 on Top Layer "Mechanical 15-No Net" (solid, remove dead copper, pour order 65): 845,3280 845,3195 920,3195 920,3255 980,3255 1120,3255 1120,3265 1195,3265 1195,4030 950,4030 950,3475 925,3475 925,3395 925,3335 905,3335 905,3280
NetD14_C on Top Layer "Mechanical 15-No Net" (solid, remove dead copper, pour order 65): 1245,3280 1245,3195 1320,3195 1320,3255 1380,3255 1520,3255 1520,3265 1595,3265 1595,4030 1350,4030 1350,3475 1325,3475 1325,3395 1325,3335 1305,3335 1305,3280
NetD16_C on Top Layer "Mechanical 15-No Net" (solid, remove dead copper, pour order 65): 1645,3280 1645,3195 1720,3195 1720,3255 1780,3255 1920,3255 1920,3265 1995,3265 1995,4030 1750,4030 1750,3475 1725,3475 1725,3395 1725,3335 1705,3335 1705,3280
+12VCC2 on Top Layer "Mechanical 15-No Net" (solid, remove dead copper, pour order 26): 1200,4025 1200,3400 1320,3400 1320,3480 1345,3480 1345,4025
+12VCC2 on Top Layer "Mechanical 15-No Net" (solid, remove dead copper, pour order 26): 1600,4025 1600,3400 1720,3400 1720,3480 1745,3480 1745,4025
+5VCC on Top Layer "Mechanical 15-No Net" (solid, remove dead copper, pour order 58): 2840,3010 2840,2870 3015,2870 3015,2920 2935,2920 2935,3010
3.3VCC on Top Layer "Mechanical 15-No Net" (solid, remove dead copper, pour order 54): 2900,2750 2900,2655 3540,2655 3540,2875 3320,2875 3315,2870 3315,2735 3315,2725 3120,2725 3120,2750
+12VCC3 on Top Layer "Mechanical 15-No Net" (solid, remove dead copper, pour order 49): 3270,3700 3270,4025 2630,4025 2630,3915 2630,3810 2750,3810 2750,3855 2755,3850 2865,3850 2865,3735 2930,3735 2865,3735 2865,3700 2965,3700
+12VCC2 on Top Layer "Mechanical 15-No Net" (solid, remove dead copper, pour order 47): 3275,3470 3275,3685 3280,3690 2880,3690 2880,3595 2740,3595 2740,3470 2740,3400 2725,3385 2725,3325 2725,3155 2730,3150 2875,3150 2875,3425 3015,3425 3015,3475 3265,3475
NetF1_1 on Top Layer "Mechanical 15-No Net" (solid, remove dead copper, pour order 45): 3730,3085 4075,3085 4075,3310 4075,3435 4065,3435 4065,3300 4065,3435 3865,3435 3865,3300 3865,3435 3785,3435 3785,3300 3785,3435 3730,3435 3715,3435 3715,3690 3280,3690 3280,3455 3285,3450 3395,3450 3395,3400 3555,3400 3605,3400 3610,3395 3610,3085
NetF2_1 on Top Layer "Mechanical 15-No Net" (solid, remove dead copper, pour order 43): 4075,3450 3730,3450 3730,3695 3725,3700 3350,3700 3280,3700 3280,4025 4075,4025
NetD2_A on Top Layer "SMPS" (solid, pour order 24): 3259,3206 3259,3070 3259,3021 3308,2972 3421,2972 3445,2996 3445,3085 3433,3097 3416,3097 3335,3178 3308,3205 3262,3205
NetC40_2 on Top Layer "SMPS" (solid, pour order 25): 3256,3239 3278.77,3216.23 3323,3216.23 3429.23,3110 3445,3110 3461,3094 3461,3018 3499,2980 3585,2980 3603,2998 3603,3080 3603,3193 3557,3239 3546,3250 3274,3250 3259,3250 3256,3247
GND on Top Layer "SMPS" (solid, pour order 33): 3242,3173 3214,3145 3126,3145 3076,3095 3076,2972 3201,2972 3250,3021 3252,3023 3252,3156 3252,3173
GND on Top Layer "Mechanical 15-No Net" (solid, remove dead copper, pour order 37): 790,3165 790,3065 795,3060 1105,3060 1105,3125 1065,3125 1065,3250 925,3250 925,3165
GND on Top Layer "Mechanical 15-No Net" (solid, remove dead copper, pour order 36): 1188.5,3164.61 1188.5,3064.61 1193.5,3059.61 1503.5,3059.61 1503.5,3124.61 1463.5,3124.61 1463.5,3249.61 1323.5,3249.61 1323.5,3164.61
GND on Top Layer "Mechanical 15-No Net" (solid, remove dead copper, pour order 35): 1589.5,3164.19 1589.5,3064.19 1594.5,3059.19 1904.5,3059.19 1904.5,3124.19 1864.5,3124.19 1864.5,3249.19 1724.5,3249.19 1724.5,3164.19
GND on Top Layer "Mechanical 15-No Net" (solid, remove dead copper, pour order 34): 1994.5,3164.19 1994.5,3064.19 1999.5,3059.19 2309.5,3059.19 2309.5,3124.19 2269.5,3124.19 2269.5,3249.19 2129.5,3249.19 2129.5,3164.19
+12VCC3 on Top Layer "Mechanical 15-No Net" (solid, remove dead copper, pour order 26): 2000,4025 2000,3400 2120,3400 2120,3480 2145,3480 2145,4025
NetD18_C on Top Layer "Mechanical 15-No Net" (solid, remove dead copper, pour order 29): 2055,3175 2125,3175 2125,3255 2130,3260 2235,3260 2620,3260 2620,4025 2155,4025 2155,3475 2125,3475 2125,3395 2125,3285 2110,3285 2110,3255 2055,3255
+12VCC1 on Bottom Layer "Mechanical 15-No Net" (solid, remove dead copper, pour order 118): 3515,1365 3515,745 3490,745 20,745 20,350 190,350 900,350 4080,350 4080,1365
GND on Bottom Layer "Mechanical 15-No Net" (solid, remove dead copper, pour order 112): 2810,1360 2990,1360 2990,1130 3370,1130 3370,1365 3505,1365 3505,1340 3505,750 3445,750 2810,750 2810,1360
GND on Bottom Layer "Mechanical 15-No Net" (solid, remove dead copper, pour order 112): 2115,1360 2295,1360 2295,1130 2675,1130 2675,1365 2810,1365 2810,1340 2810,750 2750,750 2115,750 2115,1360
GND on Bottom Layer "Mechanical 15-No Net" (solid, remove dead copper, pour order 112): 1420.26,1360.74 1600.26,1360.74 1600.26,1130.74 1980.26,1130.74 1980.26,1365.74 2115.26,1365.74 2115.26,1340.74 2115.26,750.74 2055.26,750.74 1420.26,750.74 1420.26,1360.74
GND on Bottom Layer "Mechanical 15-No Net" (solid, remove dead copper, pour order 112): 725,1360 905,1360 905,1130 1285,1130 1285,1365 1420,1365 1420,1340 1420,750 1360,750 725,750 725,1360
GND on Bottom Layer "Mechanical 15-No Net" (solid, remove dead copper, pour order 112): 30,1360 210,1360 210,1130 590,1130 590,1365 725,1365 725,1340 725,750 665,750 30,750 30,1360
GND on Bottom Layer "Mechanical 15-No Net" (solid, remove dead copper, pour order 106): 4100,2660 4100,3075 3950,3075 3605,3075 3600,3080 3600,3385 3590,3395 3550,3395 3385,3395 3385,3445 3385,3455 3270,3455 3270,3475 3170,3475 2880,3475 2880,3030 2880,3025 2840,3025 2845,3020 2845,2660
+12VCC2 on Bottom Layer "Mechanical 15-No Net" (solid, remove dead copper, pour order 104): 355,4015 355,3685 20,3685 20,3395 770,3395 780,3385 780,3030 2870,3030 2870,3470 2870,3480 2970,3480 3270,3480 3275,3485 3275,3690 2405,3690 2405,3590 2005,3590 2005,3255 1970,3255 1715,3255 1715,3485 1745,3485 1745,4025 1740,4030 1600,4030 1600,3255 1315,3255 1315,3480 1345,3480 1345,4030 1200,4030 1200,3255 920,3255 920,3480 945,3480 945,4030 355,4030
NetD12_1 on Bottom Layer "Mechanical 15-No Net" (solid, remove dead copper, pour order 100): 925,3335 925,3475 950,3475 950,3525 950,4030 1025,4030 1195,4030 1195,3950 1190,3945 1195,3940 1195,3265 925,3265
NetD14_C on Bottom Layer "Mechanical 15-No Net" (solid, remove dead copper, pour order 100): 1325,3335 1325,3475 1350,3475 1350,3525 1350,4030 1425,4030 1595,4030 1595,3950 1590,3945 1595,3940 1595,3265 1325,3265
NetD16_C on Bottom Layer "Mechanical 15-No Net" (solid, remove dead copper, pour order 100): 1725,3335 1725,3475 1750,3475 1750,3525 1750,4030 1825,4030 1995,4030 1995,3950 1990,3945 1995,3940 1995,3265 1725,3265
NetF1_1 on Bottom Layer "Mechanical 15-No Net" (solid, remove dead copper, pour order 93): 3280,3480 3280,3495 3280,3680 3290,3690 3310,3690 3715,3690 3715,3675 3715,3435 3785,3435 3785,3300 3785,3435 4080,3435 4080,3300 4080,3085 3940,3085 3610,3085 3610,3395 3605,3400 3395,3400 3395,3465 3360,3465 3280,3465
NetF2_1 on Bottom Layer "Mechanical 15-No Net" (solid, remove dead copper, pour order 43): 4075,3450 3730,3450 3730,3695 3725,3700 3350,3700 3280,3700 3280,4025 4075,4025
+12VCC3 on Bottom Layer "Mechanical 15-No Net" (solid, remove dead copper, pour order 51): 3270,3700 3270,3955 2000,3955 2000,3700 2000,3600 2390,3600 2390,3700
INPUT_GND on Groun Plane (split plane): 359.4,2978.4 361.05,2977.29 363,2976.9 897.9,2976.9 897.9,2430.89 20.1,2430.89 20.1,2998.61 20.37,3000 20.1,3001.39 20.1,3050.69 287.1,3050.69
GND on Groun Plane (split plane): 4079.9,20.1 20.1,20.1 20.1,2367.16 20.69,2368.05 21.08,2370 20.69,2371.95 20.1,2372.84 20.1,2420.69 903,2420.69 904.95,2421.08 906.6,2422.18 907.71,2423.84 908.1,2425.79 908.1,2982 907.71,2983.95 906.6,2985.6 904.95,2986.71 903,2987.1 365.11,2987.1 292.82,3059.39 291.16,3060.5 289.21,3060.89 20.1,3060.89 20.1,4029.9 4079.9,4029.9
NetF2_1 on Power Plane (split plane): 4079.9,3440.1 3720.1,3440.1 3720.1,3695 3719.71,3696.95 3718.6,3698.6 3716.95,3699.71 3715,3700.1 3280.1,3700.1 3280.1,4029.9 4079.9,4029.9
+12VCC3 on Power Plane (split plane): 3269.9,3700.1 2010.1,3700.1 2010.1,4029.9 3269.9,4029.9
NetF1_1 on Power Plane (split plane): 3709.9,3435 3710.29,3433.05 3711.4,3431.4 3713.05,3430.29 3715,3429.9 4079.9,3429.9 4079.9,2875.1 3580.1,2875.1 3580.1,3305 3579.71,3306.95 3578.6,3308.6 3576.95,3309.71 3575,3310.1 3280.1,3310.1 3280.1,3455 3280.1,3689.9 3709.9,3689.9
+5VCC on Power Plane (split plane): 3569.9,2875.1 2837.11,2875.1 2835.1,2877.11 2835.1,3097.89 3037.11,3299.9 3569.9,3299.9
3.3VCC on Power Plane (split plane): 774.9,3025 775.29,3023.05 776.4,3021.4 778.05,3020.29 780,3019.9 2824.9,3019.9 2824.9,2875 2825.29,2873.05 2826.4,2871.4 2831.4,2866.4 2833.05,2865.29 2835,2864.9 4079.9,2864.9 4079.9,1295.1 3510,1295.1 3508.05,1294.71 3506.4,1293.6 3505.29,1291.95 3504.9,1290 3504.9,975.1 20.1,975.1 20.1,3394.9 774.9,3394.9
+12VCC2 on Power Plane (split plane): 1999.9,3695 2000.29,3693.05 2001.4,3691.4 2003.05,3690.29 2005,3689.9 3269.9,3689.9 3269.9,3455 3269.9,3310.1 3035,3310.1 3033.05,3309.71 3031.4,3308.6 2826.4,3103.6 2825.29,3101.95 2824.9,3100 2824.9,3030.1 785.1,3030.1 785.1,3400 784.71,3401.95 783.6,3403.6 781.95,3404.71 780,3405.1 20.1,3405.1 20.1,4029.9 1999.9,4029.9
+12VCC1 on Power Plane (split plane): 4079.9,20.1 20.1,20.1 20.1,964.9 3510,964.9 3511.95,965.29 3513.6,966.4 3514.71,968.05 3515.1,970 3515.1,1284.9 4079.9,1284.9

## Keep-outs
Keep-Out Layer:
  lines w10: 20,20 20,4030 4080,4030 4080,20 20,20

## Other copper
Groun Plane (plane layer: these items are gaps in the copper):
  lines w10: 3,2425.79 903,2425.79 903,2982 363,2982 289.21,3055.79 93.28,3055.79 18.28,3055.79 ; 5.63,2359.65 15.98,2370 ; 5.63,3009.65 15.28,3000
Power Plane (plane layer: these items are gaps in the copper):
  lines w10: 0,0 1.08,970 3510,970 3510,1290 4095,1290 ; 0,3400 770,3400 780,3400 780,3025 2680,3025 2830,3025 ; 2005,4055 2005,3695 2875,3695 3220,3695 3715,3695 3715,3435 4100,3435 ; 2965,2870 2835,2870 ; 3275,3305 3275,3455 3275,3695 3275,4050 ; 3575,2870 3575,3305 3035,3305 2830,3100 2830,2875 2835,2870 ; 4100,2870 3310,2870 2835,2870

## Silkscreen, mask and mechanical layers (free items; w line width, h text height)
Top Overlay:
  lines w10: 3650,3170 3680,3170 3720,3170 ; 3685,2930 3685,3000 ; 3685,3135 3685,3205 ; 3685,3330 3685,3400 ; 3700,3745 3730,3745 3770,3745 ; 3735,3710 3735,3780
  lines w15: 3640,1150 3670,1150 3710,1150 ; 3675,910 3675,980 ; 3675,1115 3675,1185
  text "HEATBED" at 3410,3940 h75
  text "FAN-0" at 25,3690 h65
  text "MOSFETs" at 3415,3680 h75
  text "FAN-1" at 355,3625 h90
  text "HEAT-0" at 925,3620 h100
  text "HEAT-1" at 1330,3620 h100
  text "HEAT-2" at 1725,3620 h100
  text "HEATBED" at 2110,3620 h100
  text "AVR" at 2545,3335 h160 r90
  text "S" at 435,3015 h200
  text "SERIAL EXP" at 1975,2984 h90
  text "TR0" at 3675,2665 h25
  text "TC-0" at 2835,2660 h25
  text "TC1" at 3330,2660 h25
  text "TR1" at 3975,2660 h25
  text "S" at 4550,1875 h1200
  text "MAX" at 2840,1850 h120 r90
  text "b" at 4995,1815 h245
  text "MIN" at 2840,1620 h120 r90
  text "ERASE" at 2390,1560 h75
  text "Tigershark" at 1545,1485 h180
  text "Designed By" at 1745,1420 h90
  text "Z" at 3740,1365 h150
  text "Adam Vadala-Roth" at 1605,1360 h90
  text "X" at 2890,1360 h150
  text "Y" at 3320,1360 h150
  text "MTR PWR 24V" at 3605,785 h100 r90
  text "X" at 355,270 h150
  text "Y" at 960,270 h150
  text "E1" at 2605,270 h150
  text "E0" at 3200,270 h150
  text "Z" at 1550,265 h150
Bottom Overlay:
  drawing of 2 lines, arcs and shapes, not listed
  text "G" at 11640.52,4072.26 h310
  text "SPI MOSI" at 2260,3310 h90 r90
  text "SPI MISO" at 2360,3295 h90 r90
  text "I2C SDA" at 2155,3265 h90 r90
  text "3V3 DC" at 2455,3215 h90 r90
  text "RX" at 2055,3090 h90 r90
  text "GND" at 2455,2775 h90 r90
  text "TX" at 2055,2765 h90 r90
  text "I2C SCL" at 2155,2765 h90 r90
  text "SPI SCLK" at 2355,2765 h90 r90
  text "SPI CS EXP1" at 2260,2760 h90 r90
  text "Tigershark 3D" at 3610,1020 h250
  text "Based On the Work of Ultimachine," at 3630,895 h135
  text "Arduino, RepRap, and Synthetos.com" at 3630,805 h135
  text "Developed by Adam Vadala-Roth in" at 3630,715 h135
  text "collaboration with Johnny Russell" at 3630,625 h135
  text "and Alden Hart" at 3630,540 h135
  text "TinyG2 Powered" at 1485,360 h120
  text "#YOLO-SWAG" at 2635,340 h200
  text "AVR" at 2950,280 h200
  text "Made by Ultimachine in Tennessee USA" at 2630,240 h150
  text "S" at 1965,225 h2000
  text "S" at 3670,215 h175
  text "Released as Open Source Hardware Under the CERN Open Hardware Liscense" at 4025,35 h125
Mechanical 1:
  lines w10: 2050,0 2050,325
Mechanical 15:
  the board outline again, w10

## Dimensions
0,4050 to 0,0 on Mechanical 1
0,4050 to 4100,4050 on Mechanical 1

## Text inside footprints (layer, text, board x,y; h text height)
C7: Top Overlay "+" at 3548.94,756.52 h77.5 r315; Top Overlay "+" at 3610.18,695.27 h77.5 r315
FAN-1: Mechanical 16 "1" at 292.5,3597.5 h62 r180
"Heat Power": Top Overlay "1" at 3795,3655 h77.5 r270; Top Overlay "2" at 3795,3470 h77.5 r270; Top Overlay "3" at 3795,3270 h77.5 r270; Top Overlay "4" at 3795,3070 h77.5 r270
MAX1_ES1: Mechanical 16 "1" at 2887.5,1657.5 h62
MAX1_ES2: Mechanical 16 "1" at 3717.5,1657.5 h62
MAX1_ES3: Mechanical 16 "1" at 3302.5,1657.5 h62
MIN1_ES1: Mechanical 16 "1" at 3212.5,2022.5 h62 r180
MIN1_ES2: Mechanical 16 "1" at 4042.5,2022.5 h62 r180
MIN1_ES3: Mechanical 16 "1" at 3627.5,2022.5 h62 r180
"Motor Power": Top Overlay "1" at 3795,1240 h77.5 r270; Top Overlay "2" at 3795,1055 h77.5 r270
P2_TR1: Mechanical 16 "1" at 4037.5,2562.5 h62 r180
P2_TR2: Mechanical 16 "1" at 3722.5,2562.5 h62 r180
T1: Top Overlay "4" at 980,3750 h77.5; Top Overlay "3" at 780,3750 h77.5; Top Overlay "2" at 580,3750 h77.5; Top Overlay "1" at 395,3750 h77.5
T2_TC1: Mechanical 16 "1" at 3407.5,2562.5 h62 r180
T2_TC2: Mechanical 16 "1" at 3092.5,2562.5 h62 r180
U3: Top Overlay "R" at 1833.56,1983.83 h37.2 r270; Top Overlay "TQFP 144" at 1778.05,2228.46 h49.6 r270